# Altium PCB SPG300 Rev05.PcbDoc (part 6 of 8)
Units mm, origin at the board's own origin, x right, y up, seen from the top; angles counter-clockwise.
Board outline 176 x 152 mm, 6 copper layers (Top Layer, GND, Layer 1, Layer 2, PWR, Bottom Layer), stack 1.924 mm thick; 738 components, 393 nets, 2440 pads, 974 vias.
Unrouted connection lines stored in the file: 395.
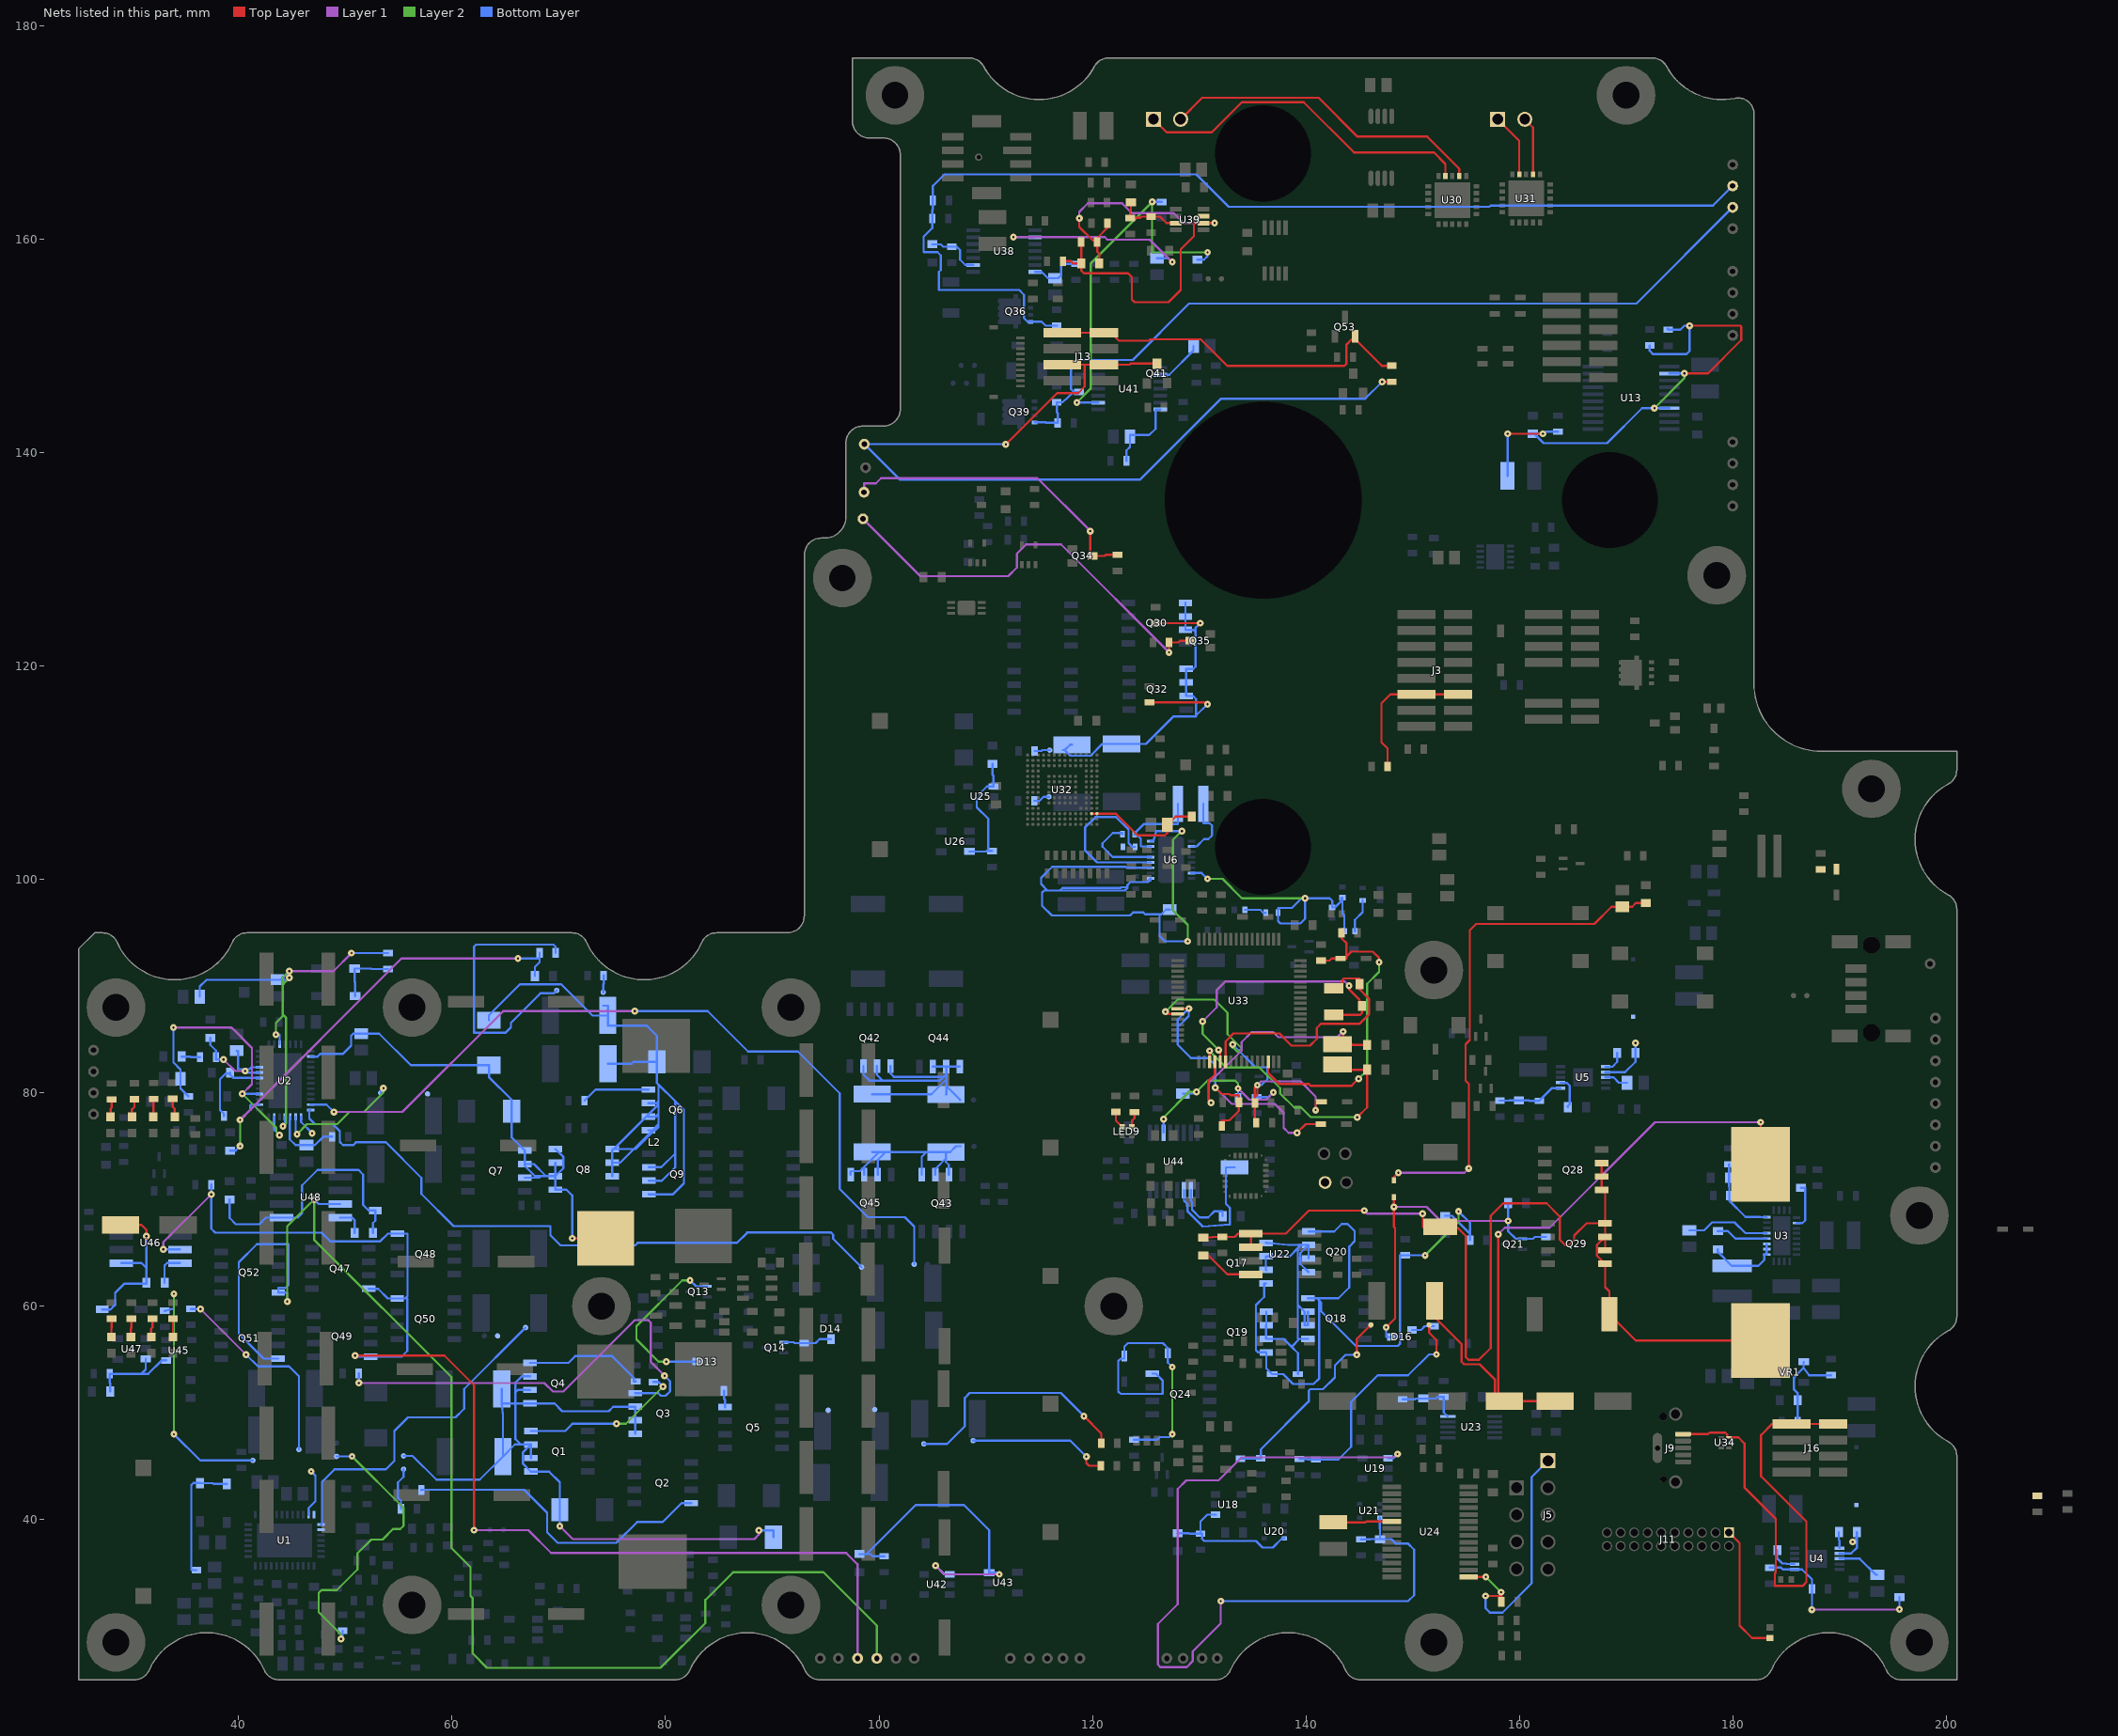
[diagram p10: the nets of this part, all layers, seen from the top]

## Via types
v1: diameter 0.65, hole 0.203, Top Layer to Bottom Layer, 964 vias
v2: diameter 8.5/0.5/0.5/8.5 (per signal layer), hole 4.2, Top Layer to Bottom Layer, 9 vias
v3: diameter 0.905, hole 0.305, Top Layer to Bottom Layer, 1 vias

## Nets (pads, with @x,y where several pads share a name; then routed paths per layer and width w, separated by ;. In a path a pad name is that pad's centre, name@x,y a point inside that pad or via, vN(x,y) a via of type N, cw(c..) or ccw(c..) an arc to the next point about the centre after c; other vN are vias at no path point) (continued)
NetC47_2: C47.2 D8.A D9.C L2.1 Q7.S1 Q7.S2 Q7.S3 Q8.D1 Q8.D2 Q8.D3 Q8.D4 U2.21 | length 52.1
  Top Layer w0.203: v1(71.247,66.37) 71.254,66.363 L2.1@74.375,66.363
  Bottom Layer w0.203: U2.21@46.738,83.401 47.384,83.401 47.625,83.642 49.747,83.642 50.534,84.43 50.534,85.344 50.74,85.549 C47.2@51.489,85.549 53.161,85.549 56.122,82.589 D9.C@63.45,82.589 63.45,81.485 65.585,79.35 D8.A@65.585,78.275 65.585,75.825 Q7.S1@66.821,74.589 66.802,74.589 66.802,73.152 67.759,72.195 68.319,72.195 ; Q7.S3@66.821,72.049 68.174,72.049 68.319,72.195 ; Q7.S2@66.821,73.319 67.666,73.319 68.79,72.195 ; Q8.D3@69.681,73.465 Q8.D2@69.681,72.195 ; Q8.D4@69.681,74.735 70.434,73.982 70.434,72.947 Q8.D2@69.681,72.195 ; v1(71.247,66.37) 71.247,70.391 70.714,70.925 Q8.D1@69.681,70.925 Q8.D2@69.681,72.195 ; 68.319,72.195 68.79,72.195 ; 68.79,72.195 Q8.D2@69.681,72.195
NetC48_1: C48.1 C49.1 R46.2 U2.2 | length 42.9
  Layer 1 w0.203: v1(40.132,77.463) 55.278,92.608 v1(66.167,92.608)
  Layer 2 w0.203: v1(40.132,75.006) v1(40.132,77.463)
  Bottom Layer w0.203: C49.1@39.2,74.594 39.719,74.594 v1(40.132,75.006) ; v1(40.132,77.463) 41.092,78.423 41.092,78.829 41.164,78.901 U2.2@41.938,78.901 ; v1(66.167,92.608) 68.201,92.608 ; C48.1@67.758,90.951 67.758,91.796 68.201,92.24 68.201,92.608 ; R46.2@68.201,93.125 68.201,92.608
NetC51_1: C51.1 R49.1 U2.34 | length 6.7
  Bottom Layer w0.203: U2.34@44.838,77.751 44.838,77.502 44.783,77.502 44.783,75.645 45.328,75.1 C51.1@46.35,75.1 47.142,75.1 47.934,75.891 R49.1@48.757,75.891
NetC54_1: C54.1 C55.1 R48.1 U2.15 U2.35 | length 42.2
  Layer 1 w0.203: v1(44.756,91.415) 48.886,91.415 v1(50.571,93.1)
  Layer 2 w0.203: v1(43.485,85.471) 43.485,86.563 44.12,87.198 44.12,87.376 ; v1(44.145,76.86) 44.425,77.14 44.425,87.071 44.12,87.376 ; v1(44.755,90.78) 44.12,90.145 ; v1(44.756,91.415) 44.704,91.415 44.12,90.83 44.12,90.145 ; 44.12,87.376 44.12,90.145
  Bottom Layer w0.203: C55.1@36.351,89 36.351,89.969 36.982,90.601 C54.1@43.651,90.601 C54.1@43.941,90.601 ; v1(43.485,85.471) 43.838,85.471 U2.15@43.838,84.551 ; v1(44.145,76.86) 44.338,77.053 U2.35@44.338,77.751 ; v1(44.755,90.78) v1@44.576,90.601 ; v1(44.756,91.415) C54.1@43.941,90.601 ; v1(44.756,91.415) 44.756,90.602 44.755,90.601 v1@44.576,90.601 ; v1(50.571,93.1) R48.1@53.999,93.1 ; C54.1@43.941,90.601 v1@44.576,90.601
  other v1: 44.755,91.415
NetC57_1: C57.1 R51.2 U2.4 U2.37 | length 28.7
  Layer 1 w0.203: v1(33.884,86.131) 39.319,86.131 41.25,84.201 41.25,80.823 v1(40.335,79.908)
  Layer 2 w0.203: v1(40.335,79.908) 43.523,76.72 43.523,76.339 v1(43.815,76.048)
  Bottom Layer w0.203: v1(33.884,86.131) 33.884,82.855 34.551,82.188 C57.1@34.551,81.324 34.551,80.424 R51.2@35.3,79.675 ; v1(40.335,79.908) 40.343,79.901 U2.4@41.938,79.901 ; U2.37@43.338,77.751 43.338,76.525 v1(43.815,76.048)
NetC59_1: C59.1 R59.2 U2.7 | length 7.8
  Bottom Layer w0.203: R59.2@38.617,77.847 38.617,78.029 38.252,78.393 38.252,81.28 38.786,81.813 C59.1@39.194,81.813 ; C59.1@39.194,81.901 C59.1@39.194,81.813 ; U2.7@41.938,81.401 41.721,81.401 41.714,81.407 39.512,81.407 39.194,81.725 C59.1@39.194,81.813
NetC60_1: C60.1 U2.9 | length 3.9
  Bottom Layer w0.203: C60.1@39.8,83.949 39.929,83.949 39.929,82.22 41.021,82.22 41.202,82.401 U2.9@41.938,82.401
NetC61_1: C61.1 R56.1 | length 1.7
  Bottom Layer w0.203: C61.1@34.65,83.4 35.458,83.4 35.519,83.339 R56.1@36.367,83.339
NetC62_1: C62.1 R56.2 U2.8 | length 6.8
  Layer 1 w0.203: v1(38.583,83.134) 39.675,82.042 v1(40.604,82.042)
  Bottom Layer w0.203: C62.1@37.349,85.149 37.349,84.49 37.867,83.972 R56.2@37.867,83.339 37.867,83.134 v1(38.583,83.134) ; v1(40.604,82.042) 40.746,81.901 U2.8@41.938,81.901
NetC63_1: C63.1 U4.1 | length 1.5
  Bottom Layer w0.203: C63.1@189.95,38.837 189.95,38.105 190.006,38.049 U4.1@190.006,37.338
NetC63_2: C63.2 L3.1 U4.2 | length 3.9
  Bottom Layer w0.203: U4.2@190.006,36.838 191.099,36.838 191.65,37.389 191.65,38.316 ; v1(191.243,37.91) 191.65,38.316 ; C63.2@191.65,38.837 191.65,38.316
NetC64_1: C64.1 U3.16 | length 4.9
  Bottom Layer w0.203: C64.1@178.613,67.049 179.54,67.049 180.246,66.343 U3.16@183.19,66.343
NetC64_2: C64.2 I1.1 U3.13 U3.14 U3.15 | length 7.1
  Bottom Layer w0.203: C64.2@178.613,65.349 178.613,65.087 I1.1@179.924,63.776 182.397,63.776 182.956,64.335 182.956,64.843 U3.13@183.19,64.843 U3.14@183.19,65.343 U3.15@183.19,65.843
NetC66_2: C66.2 R61.1 R63.2 U3.20 | length 7.6
  Bottom Layer w0.203: R63.2@179.648,73.3 179.648,72.673 179.651,72.669 C66.2@179.651,72.048 179.651,71.223 179.678,71.196 R61.1@179.678,70.376 179.678,69.901 181.2,68.379 182.575,68.379 182.611,68.343 U3.20@183.19,68.343
NetC67_1: C67.1 U3.2 | length 4.4
  Bottom Layer w0.203: U3.2@185.99,67.793 186.538,67.793 186.792,68.047 186.792,71.1 C67.1@186.401,71.1
NetC69_1: C69.1 R62.2 R65.2 U4.6 | length 16.6
  Layer 1 w0.203: v1(187.426,31.562) 195.595,31.562 v1(195.626,31.593)
  Bottom Layer w0.203: R62.2@183.476,35.5 184.531,35.5 184.693,35.338 U4.6@185.796,35.338 186.49,35.338 187.426,34.402 R65.2@187.426,33.5 v1(187.426,31.562) ; v1(195.626,31.593) C69.1@195.626,32.725
NetC71_1: C71.1 U4.3 | length 4.2
  Bottom Layer w0.203: U4.3@190.006,36.338 191.909,36.338 193.421,34.826 C71.1@193.562,34.826
NetC72_1: C72.1 U3.17 | length 8
  Bottom Layer w0.203: C72.1@175.928,67.118 177.317,67.118 178.068,67.869 180.175,67.869 181.201,66.843 U3.17@183.19,66.843
NetC75_1: C75.1 U4.7 | length 2.6
  Bottom Layer w0.203: C75.1@184.175,37.146 184.175,36.373 184.658,35.89 185.039,35.89 185.092,35.838 U4.7@185.796,35.838
NetC76_1: C76.1 U5.1 | length 2.1
  Bottom Layer w0.203: U5.1@168.081,82.45 168.729,82.45 169.185,82.906 C76.1@169.185,83.739
NetC76_2: C76.2 L4.1 U5.2 | length 5
  Bottom Layer w0.203: U5.2@168.081,81.95 169.929,81.95 170.885,82.906 C76.2@170.885,83.739 v1(170.885,84.666)
NetC77_1: C77.1 R67.2 R69.2 U5.6 | length 6.2
  Bottom Layer w0.203: R69.2@158.174,79.268 159.055,79.268 159.086,79.299 C77.1@159.975,79.299 160.884,79.299 160.93,79.253 R67.2@161.885,79.253 161.885,79.267 163.068,80.45 U5.6@163.871,80.45
NetC82_1: C82.1 U5.7 | length 3
  Bottom Layer w0.203: U5.7@163.871,80.95 164.439,80.95 164.719,80.67 164.719,78.934 164.55,78.765 C82.1@164.55,78.664
NetC83_1: C83.1 U5.3 | length 2.2
  Bottom Layer w0.203: U5.3@168.081,81.45 168.834,81.45 169.334,80.95 C83.1@170.11,80.95
NetC86_1: C86.1 R68.1 R71.2 VR1.4 | length 9.1
  Bottom Layer w0.203: R71.2@186.09,49.175 186.09,50.165 186.1,50.175 C86.1@186.1,51.201 186.1,51.841 185.75,52.191 185.75,53.34 186.639,54.229 ; VR1.4@186.664,54.785 186.639,54.785 186.639,54.229 ; R68.1@189.213,53.539 187.151,53.539 186.639,54.229
NetC87_1: C87.1 L5.1 U6.15 | length 8.9
  Bottom Layer w0.203: U6.15@125.473,103.1 124.536,103.1 124.536,103.835 124.206,104.165 123.95,104.165 C87.1@123.95,104.25 123.95,104.343 124.79,105.183 128.015,105.183 L5.1@128.015,107.076
NetC87_2: C87.2 U6.13 | length 7.6
  Bottom Layer w0.203: C87.2@122.8,104.25 122.8,104.357 121.92,104.357 120.949,103.385 120.949,103.071 121.92,102.1 U6.13@125.473,102.1
NetC88_1: C88.1 L5.2 U6.2 | length 6
  Bottom Layer w0.203: U6.2@129.273,103.1 129.78,103.1 130.454,103.775 130.851,103.775 131.202,104.125 131.202,105.054 130.972,105.285 130.385,105.285 L5.2@130.385,107.076
NetC88_2: C88.2 U6.12 | length 15.8
  Bottom Layer w0.203: C88.2@124.009,103.05 123.749,103.05 123.393,103.406 123.393,104.679 122.23,105.842 120.294,105.842 119.304,104.851 119.304,102.743 120.447,101.6 U6.12@125.473,101.6
NetC89_2: C89.2 R74.1 | length 3.2
  Bottom Layer w0.203: R74.1@144.6,95.149 144.6,96.215 145.324,96.94 C89.2@145.324,98.05
NetC91_1: C91.1 R73.1 | length 2.1
  Bottom Layer w0.203: R73.1@134.301,97.151 135.735,97.151 136.012,96.874 C91.1@136.248,96.874
NetC91_2: C91.2 R72.2 R74.2 R76.1 U6.7 | length 28.5
  Layer 2 w0.203: v1(130.789,100.057) 132.198,100.057 134.033,98.222 v1(139.929,98.222)
  Bottom Layer w0.203: U6.7@129.273,100.6 130.246,100.6 v1(130.789,100.057) ; v1(139.929,98.222) 139.929,96.317 139.497,95.885 137.617,95.885 137.398,96.104 C91.2@137.398,96.874 137.398,97.333 138.703,97.333 139.604,98.233 142.24,98.233 142.475,97.998 R76.1@142.475,97.375 142.73,97.375 143.298,97.942 143.298,98.204 143.395,98.301 R72.2@143.425,98.301 143.425,96.797 143.6,96.622 R74.2@143.6,95.149
NetC99_1: C99.1 U6.9 U6.11 U6.16 | length 63.9
  Layer 2 w0.203: v1(128.397,104.546) 127.539,103.688 127.539,97.135 128.93,95.743 v1(128.93,94.209)
  Bottom Layer w0.203: U6.9@125.473,100.1 U6.9@125.451,100.1 ; U6.11@125.473,101.1 123.215,101.1 123.122,101.194 116.23,101.194 115.192,100.155 115.192,99.568 115.796,98.964 ; U6.16@125.473,103.6 125.696,103.6 125.976,104.546 v1(128.397,104.546) ; C99.1@127.249,97.175 126.893,97.175 126.441,96.723 126.289,96.723 ; v1(128.93,94.209) 126.771,94.209 126.289,94.691 126.289,96.723 ; 115.796,98.964 116.951,98.964 ; 115.796,98.964 115.474,98.964 115.291,98.781 115.291,97.536 116.205,96.622 123.52,96.622 123.82,96.921 124.78,96.921 124.978,96.723 126.289,96.723 ; 116.951,98.964 123.043,98.964 123.292,99.212 123.292,99.263 ; 116.951,98.964 117.2,99.212 122.631,99.212 122.682,99.263 123.292,99.263 ; 123.292,99.263 123.292,99.492 123.546,99.746 125.096,99.746 ; 125.096,99.746 125.222,99.746 125.451,99.974 U6.9@125.451,100.1 ; 125.096,99.746 U6.9@125.451,100.1
NetC108_2: C108.2 D15.A Q17.G Q18.G Q19.G Q20.G R109.1 R111.1 | length 69.5
  Layer 2 w0.203: v1(151.181,64.772) 154.305,67.897 v1(154.305,68.885)
  Bottom Layer w0.203: Q17.G@136.27,62.134 136.093,62.134 136.093,60.884 135.331,60.122 135.331,55.877 135.534,55.674 Q19.G@136.296,55.674 136.296,54.19 D15.A@136.851,53.635 137.871,53.635 138.799,52.707 140.728,52.707 141.26,53.238 141.26,60.512 ; Q18.G@140.204,60.751 141.021,60.751 ; Q20.G@140.256,67.013 142.654,67.013 143.358,67.716 143.916,67.716 144.577,67.056 144.577,66.091 144.069,65.583 144.069,61.767 143.053,60.751 141.021,60.751 ; v1(151.181,64.772) R109.1@149.301,64.772 148.819,64.772 148.819,56.49 148.615,56.286 144.678,56.286 141.427,59.538 141.427,60.345 141.26,60.512 ; C108.2@153.052,68.475 153.692,68.475 155.399,66.767 ; v1(154.305,68.885) 155.399,67.79 155.399,66.767 ; R111.1@155.399,66.199 155.399,66.767 ; 141.021,60.751 141.26,60.512
NetC109_1: C109.1 C110.1 D17.A | length 47.8
  Top Layer w0.203: D17.A@148.249,71.79 148.249,72.1 v1(148.666,72.517) ; v1(155.27,72.923) 155.27,80.843 154.965,81.148 154.965,84.557 155.364,84.955 155.364,95.232 155.966,95.834 167.041,95.834 168.656,97.45 C110.1@169.65,97.45 170.586,97.45 170.923,97.786 C109.1@171.863,97.786
  Layer 1 w0.203: v1(148.666,72.517) 154.864,72.517 v1(155.27,72.923)
NetC111_1: C111.1 D16.3 D17.C Q21.1 R114.2 | length 31.8
  Top Layer w0.203: v1(147.523,58.014) 148.361,58.852 148.361,67.325 148.249,67.437 v1(148.249,69.311) D17.C@148.249,70.21
  Layer 1 w0.203: v1(148.249,69.311) 151.313,69.311 152.629,67.996 v1(158.945,67.996)
  Bottom Layer w0.203: v1(147.523,58.014) 147.523,57.121 D16.3@148.051,57.121 ; C111.1@158.945,69.676 v1(158.945,67.996) 158.945,67.056 159.683,66.319 Q21.1@160.301,66.319 161.29,66.319 161.471,66.5 R114.2@162.5,66.5
NetC114_1: C114.1 C115.1 R124.2 R125.2 R126.2 U13.12 U13.17 | length 51.9
  Top Layer w0.203: v1(158.9,141.775) v1(162.204,141.775) ; v1(175.463,147.424) 177.679,147.424 180.813,150.558 180.813,151.816 180.729,151.9 v1(175.971,151.9)
  Layer 2 w0.203: v1(172.669,144.17) 175.463,146.964 v1(175.463,147.424)
  Bottom Layer w0.203: C114.1@158.9,137.825 v1(158.9,141.775) ; C115.1@161.274,141.775 C115.1@161.392,141.775 ; R126.2@163.627,141.967 162.517,141.967 162.325,141.775 v1(162.204,141.775) C115.1@161.392,141.775 ; R124.2@172.225,150.05 172.225,149.555 172.55,149.23 175.646,149.23 175.971,149.555 v1(175.971,151.9) 175.475,151.9 175.1,151.525 R125.2@173.953,151.525 173.904,151.575 173.902,151.616 173.95,151.617 R125.2@173.952,151.617 ; v1(172.669,144.17) v1@172.673,144.174 ; U13.17@174.059,144.174 v1@172.673,144.174 ; U13.12@174.059,147.424 v1(175.463,147.424) ; C115.1@161.392,141.775 162.273,140.894 168.22,140.894 171.501,144.174 v1@172.673,144.174
NetC123_1: C123.1 R147.2 U19.1 U21.3 | length 80.6
  Layer 1 w0.203: v1(132.029,32.36) 132.029,30.277 129.388,27.635 129.388,26.721 128.829,26.162 126.39,26.162 126.136,26.416 126.136,30.226 127.991,32.08 127.991,42.875 128.803,43.688 131.826,43.688 133.985,45.847 148.285,45.847 v1(148.59,46.152)
  Bottom Layer w0.203: v1(132.029,32.36) 149.581,32.36 150.139,32.918 150.139,37.186 149.555,37.77 148.411,37.77 148.006,38.175 C123.1@146.95,38.175 ; R147.2@145.178,38.155 146.05,38.155 146.07,38.175 C123.1@146.95,38.175 ; U21.3@146.928,40.174 146.928,39.164 146.95,39.141 C123.1@146.95,38.175 ; U19.1@147.701,45.745 148.183,45.745 v1(148.59,46.152)
NetC124_1: C124.1 R148.2 U18.1 U20.3 | length 14
  Bottom Layer w0.203: C124.1@127.999,38.736 129.032,38.736 129.088,38.68 R148.2@130.124,38.68 ; U18.1@131.548,40.474 130.771,40.474 130.124,39.827 R148.2@130.124,38.68 ; U20.3@138.002,38.25 137.77,38.25 136.909,37.389 135.941,37.389 135.331,37.998 130.48,37.998 130.277,38.202 130.277,38.68 R148.2@130.126,38.68 R148.2@130.124,38.68
NetC127_1: C127.1 D19.A D20.C L6.1 Q28.S1 Q28.S2 Q28.S3 Q29.D1 Q29.D2 Q29.D3 Q29.D4 R153.1 U22.5 U22.6 | length 102
  Top Layer w0.203: C127.1@130.402,66.45 131.242,66.45 131.292,66.5 R153.1@132.176,66.5 133.35,66.5 133.654,66.804 U22.5@134.85,66.804 ; U22.6@134.85,65.534 U22.5@134.85,66.804 ; v1(145.466,68.961) 140.282,68.961 138.125,66.804 U22.5@134.85,66.804 ; v1(150.952,68.682) 150.969,68.665 150.969,67.445 D19.A@152.595,67.445 154.127,67.445 154.996,66.577 154.996,55.22 155.245,54.971 156.215,54.971 157.328,56.083 157.328,68.478 158.496,69.647 162.56,69.647 163.805,68.402 163.805,66.243 164.313,65.735 164.643,65.735 165.151,66.243 165.151,66.624 166.307,67.78 Q29.D4@168.045,67.78 ; Q28.S2@167.731,72.156 Q28.S2@167.716,72.156 ; Q28.S3@167.731,73.426 167.716,73.426 Q28.S2@167.716,72.156 ; Q29.D2@168.045,65.24 Q29.D3@168.045,66.51 ; L6.1@182.626,56.79 170.919,56.79 D20.C@168.448,59.26 168.448,61.392 168.045,61.795 Q29.D1@168.045,63.97 167.284,64.731 167.284,65.749 Q29.D3@168.045,66.51 ; Q28.S2@167.716,72.156 167.716,70.886 Q28.S1@167.731,70.886 168.045,70.571 Q29.D4@168.045,67.78 ; Q29.D3@168.045,66.51 168.045,67.132 Q29.D4@168.045,67.78
  Layer 1 w0.203: v1(145.466,68.961) 145.745,68.682 v1(150.952,68.682)
NetC127_2: C127.2 U22.8 | length 5.2
  Top Layer w0.203: C127.2@130.402,64.75 130.881,64.75 132.636,62.994 U22.8@134.85,62.994
NetC128_2: C128.2 C130.1 L6.2 NT16.1 R154.1 | length 67.2
  Top Layer w0.203: R154.1@152.05,60.499 152.05,60.24 151.551,59.741 NT16.1@151.551,59.5 154.59,56.461 154.59,54.813 154.838,54.564 156.281,54.564 157.734,53.111 157.734,51.099 C128.2@158.039,51.099 ; v1(158.039,66.751) C128.2@158.039,51.099 ; C130.1@163.37,51.099 C128.2@158.6,51.099 C128.2@158.039,51.099 ; L6.2@182.626,73.29 v1(182.626,77.241)
  Layer 1 w0.203: v1(158.039,66.751) 158.648,67.361 162.839,67.361 172.72,77.241 v1(182.626,77.241)
NetC135_1: C135.1 R157.1 R158.2 U23.5 | length 5.9
  Bottom Layer w0.203: R158.2@149.074,51.275 150.235,51.275 150.309,51.349 C135.1@151,51.349 152.186,51.349 152.337,51.5 R157.1@152.926,51.5 152.926,50.049 U23.5@153.3,49.675
NetC138_1: C138.1 U24.20 | length 5.5
  Top Layer w0.203: C138.1@142.574,39.751 145.596,39.751 145.676,39.831 U24.20@148.051,39.831
NetC141_1: C141.1 R175.2 U25.1 U26.3 | length 11.8
  Bottom Layer w0.203: U26.3@108.466,102.624 110.048,102.624 110.098,102.675 R175.2@110.236,102.675 ; R175.2@110.601,102.675 R175.2@110.236,102.675 ; C141.1@110.642,110.851 110.642,109.812 110.726,109.728 U25.1@110.726,108.724 110.108,108.724 109.487,108.102 109.487,107.811 109.169,107.493 109.169,106.756 110.236,105.689 R175.2@110.236,102.675
NetC146_1: C146.1 C147.1 U32.C1 U32.C2 | length 11.4
  Top Layer w0.203: U32.C2@119.924,106.165 U32.C1@120.424,106.165 122.211,106.165 124.237,104.14 126.797,104.14 127.026,104.369 C147.1@127.026,105.123 127.804,105.901 C146.1@129.316,105.901
NetC164_1: C164.1 U33.3 XTAL1.2 | length 25.6
  Top Layer w0.203: U33.3@130.977,82.9 v1(130.977,83.936) ; XTAL1.2@142.954,82.65 143.561,82.65 144.042,82.169 C164.1@145.75,82.169 ; v1(144.805,77.699) 145.75,78.643 C164.1@145.75,82.169 ; C164.1@145.75,82.19 C164.1@145.75,82.169
  Layer 2 w0.203: v1(130.977,83.936) 132.546,82.367 135.661,82.367 137.595,80.434 137.595,79.94 138.908,78.627 139.559,78.627 140.455,77.731 144.773,77.731 v1(144.805,77.699)
NetC165_1: C165.1 U33.4 XTAL1.1 | length 25.6
  Top Layer w0.203: v1(131.115,79.07) 130.886,79.299 130.886,81.128 131.477,81.718 U33.4@131.477,82.9 ; XTAL1.1@142.954,84.55 XTAL1.1@143.485,84.55 ; v1(143.485,85.75) XTAL1.1@143.485,84.55 ; C165.1@145.749,84.5 144.373,84.5 144.323,84.55 XTAL1.1@143.485,84.55
  Layer 1 w0.203: v1(131.115,79.07) 130.886,79.299 130.886,80.874 133.985,83.972 133.985,84.76 134.925,85.7 136.931,85.7 137.414,85.217 142.951,85.217 v1(143.485,85.75)
NetC166_1: C166.1 U33.5 XTAL2.2 | length 26.6
  Top Layer w0.203: v1(131.826,84.023) 131.977,83.872 U33.5@131.977,82.9 ; XTAL2.2@142.601,87.3 145.075,87.3 145.25,87.475 C166.1@145.25,88.151 145.009,88.748 144.043,89.713 v1(144.043,90.043)
  Layer 1 w0.203: v1(130.327,86.69) 131.648,88.011 131.648,89.611 132.486,90.449 143.637,90.449 v1(144.043,90.043)
  Layer 2 w0.203: v1(130.327,86.69) 130.327,85.522 v1(131.826,84.023)
NetC167_1: C167.1 U33.6 XTAL2.1 | length 25
  Top Layer w0.203: U33.6@132.477,82.9 132.477,84.826 133.223,85.573 137.516,85.573 138.659,84.43 140.386,84.43 141.021,85.065 141.021,86.081 141.427,86.487 145.059,86.487 145.948,87.376 145.948,88.798 145.05,89.697 C167.1@145.05,90.201 145.05,90.718 143.571,90.718 143.399,90.546 143.399,89.8 XTAL2.1@142.601,89.8
NetC175_1: C175.1 R204.1 R208.1 U39.3 | length 6
  Top Layer w0.203: C175.1@123.603,163.45 123.603,162.739 123.551,162.687 R204.1@123.551,162.001 124.46,162.001 124.575,162.116 R208.1@125.5,162.116 126.34,162.116 126.932,161.524 U39.3@127.815,161.524
NetC177_1: C177.1 R205.1 U38.7 | length 5.1
  Bottom Layer w0.203: U38.7@114.625,156.95 115.24,156.95 115.837,156.353 C177.1@116.499,156.353 116.789,156.353 117.061,156.624 117.061,157.437 117.326,157.702 R205.1@118.45,157.702
NetC178_1: C178.1 U38.2 | length 19.5
  Layer 1 w0.203: v1(112.598,160.2) 121.156,160.2 121.387,159.969 125.374,159.969 v1(127.483,157.861)